# Altium PCB systems_pcb.PcbDoc (part 1 of 2)
Units mm, origin at the board's own origin, x right, y up, seen from the top; angles counter-clockwise.
Board outline 95.88 x 90.17 mm, 4 copper layers (TOP, GND, VCC, BOT), stack 0.778 mm thick; 87 components, 80 nets, 333 pads, 509 vias.
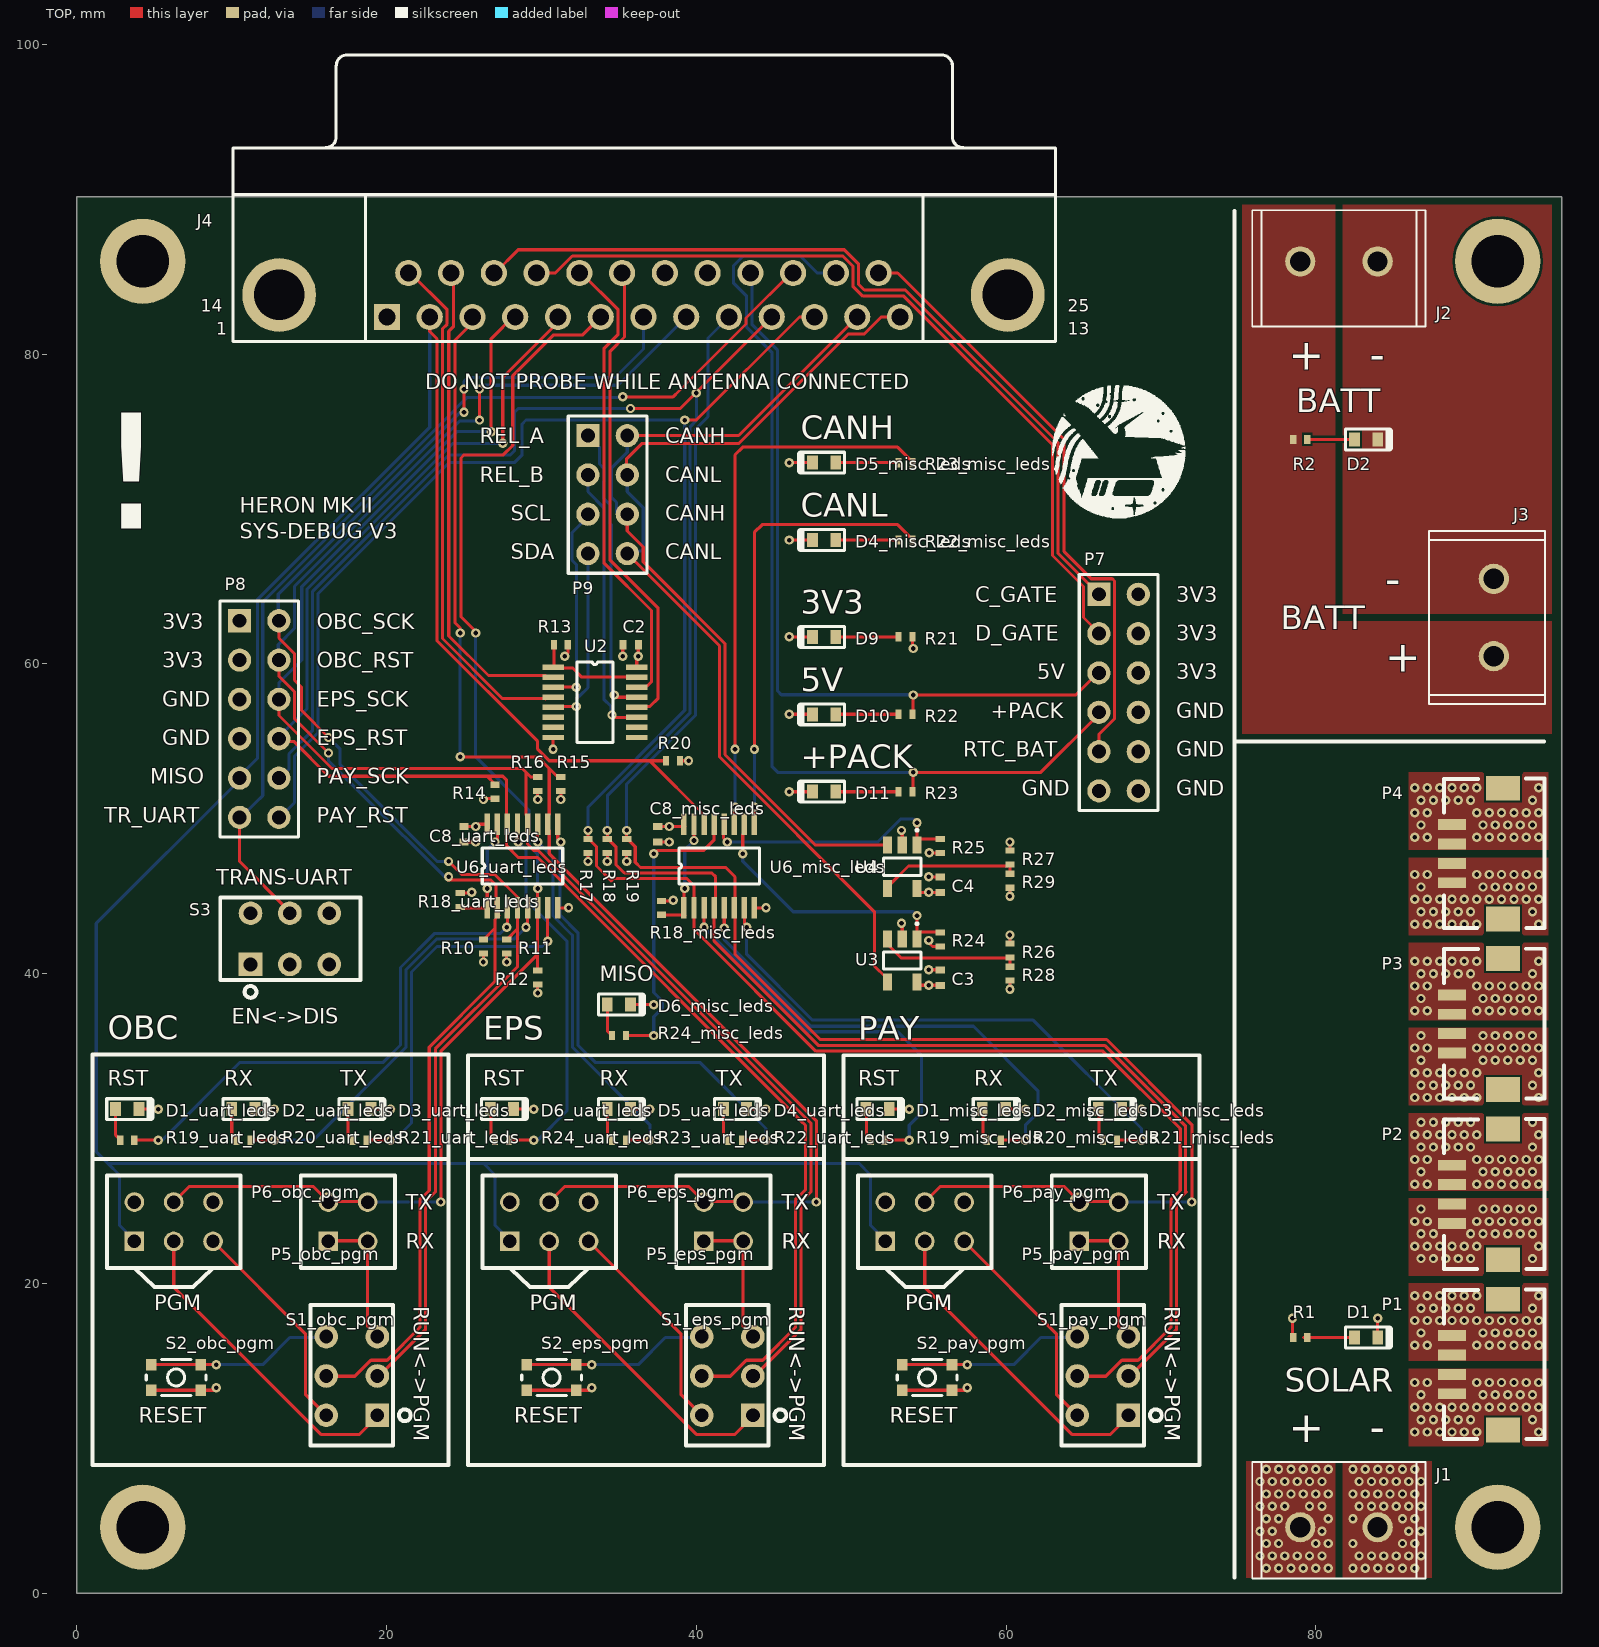
[diagram p0: TOP view]
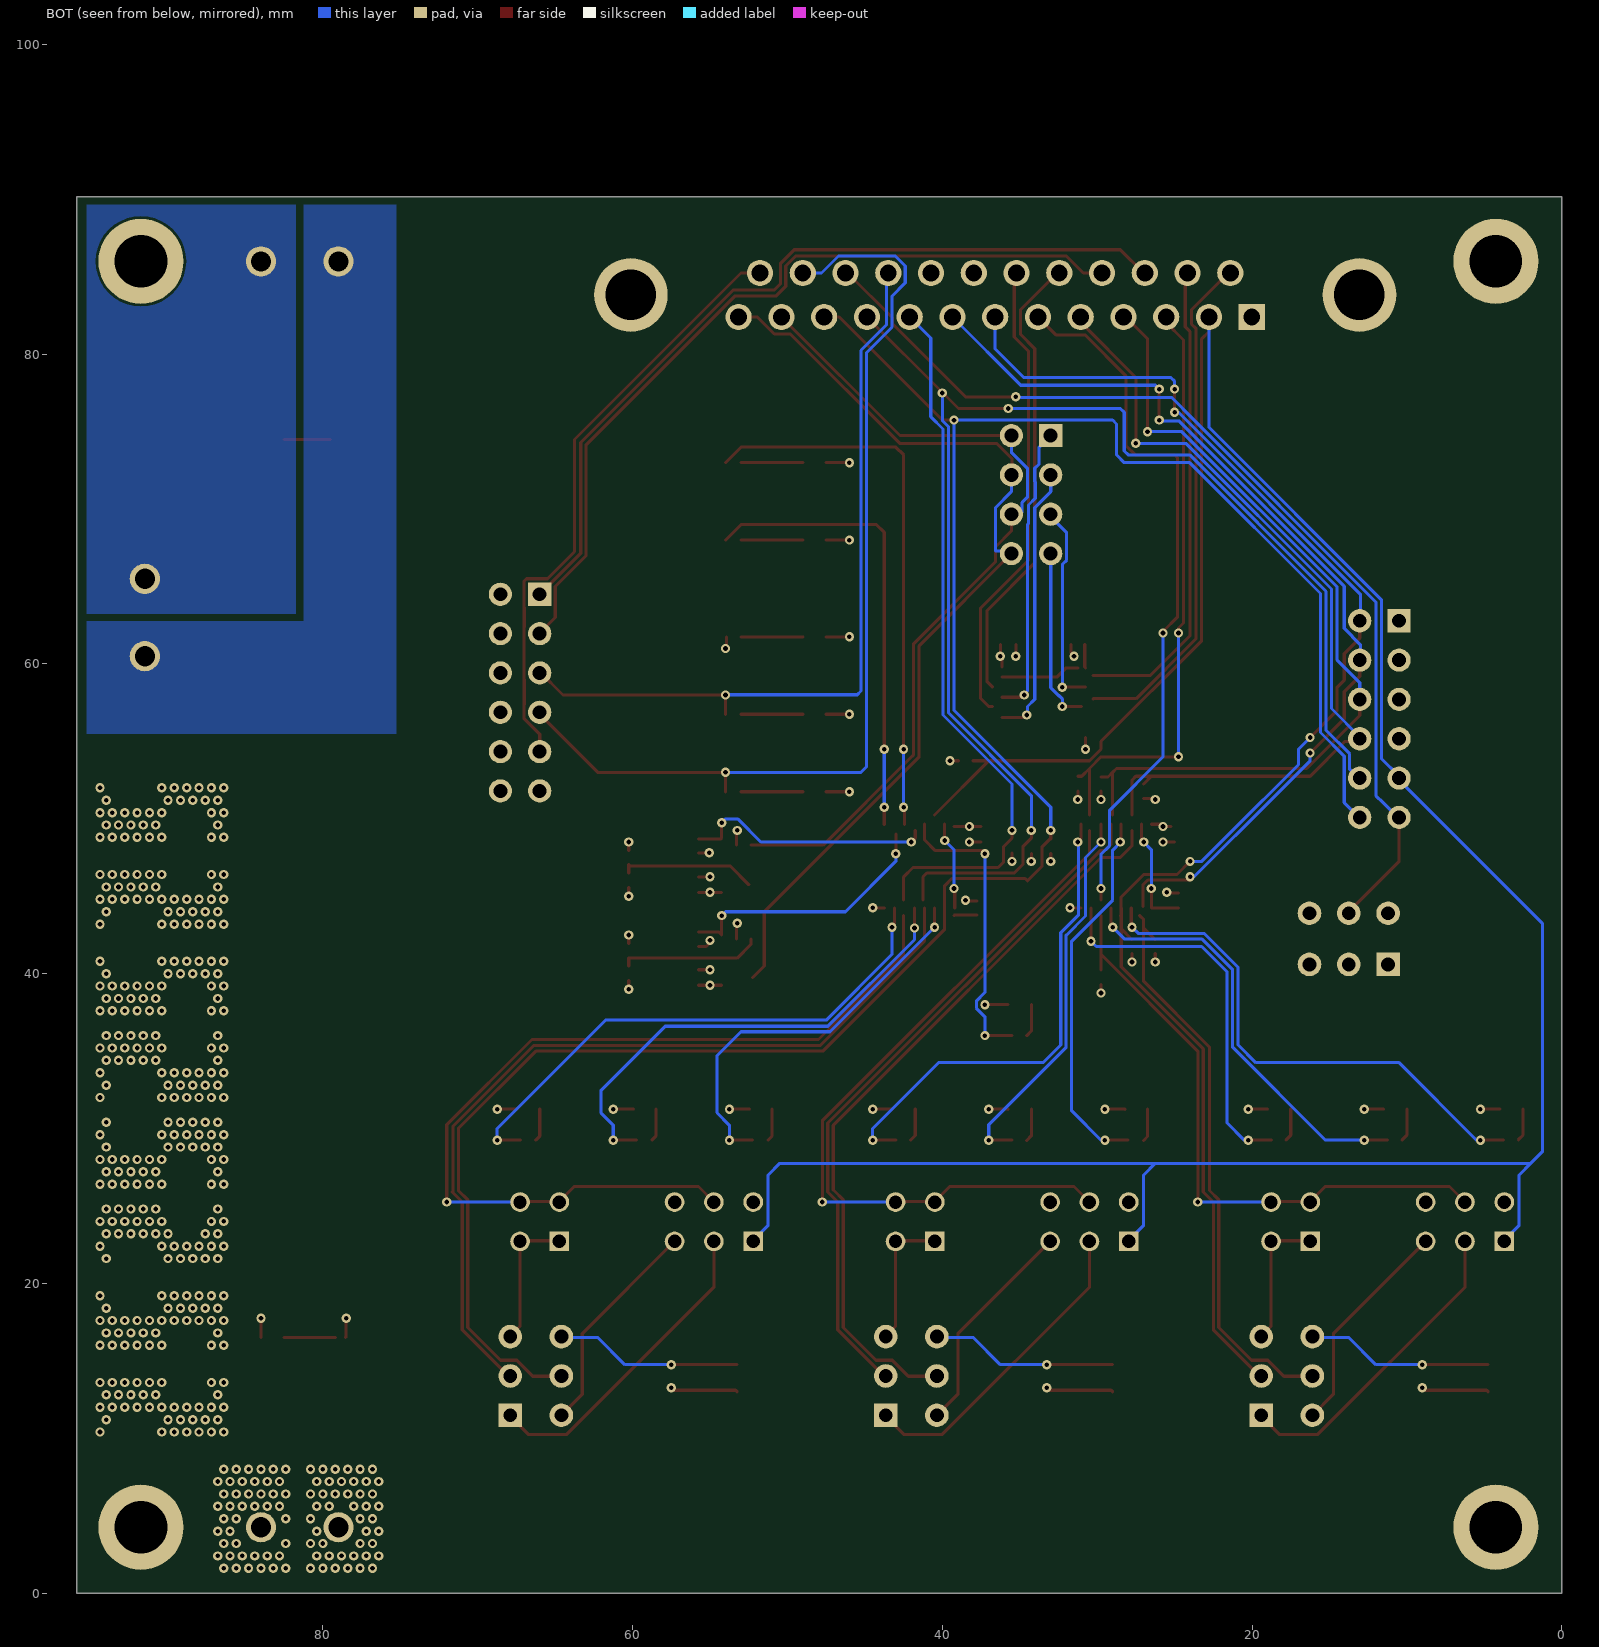
[diagram p1: BOT view, seen from below]
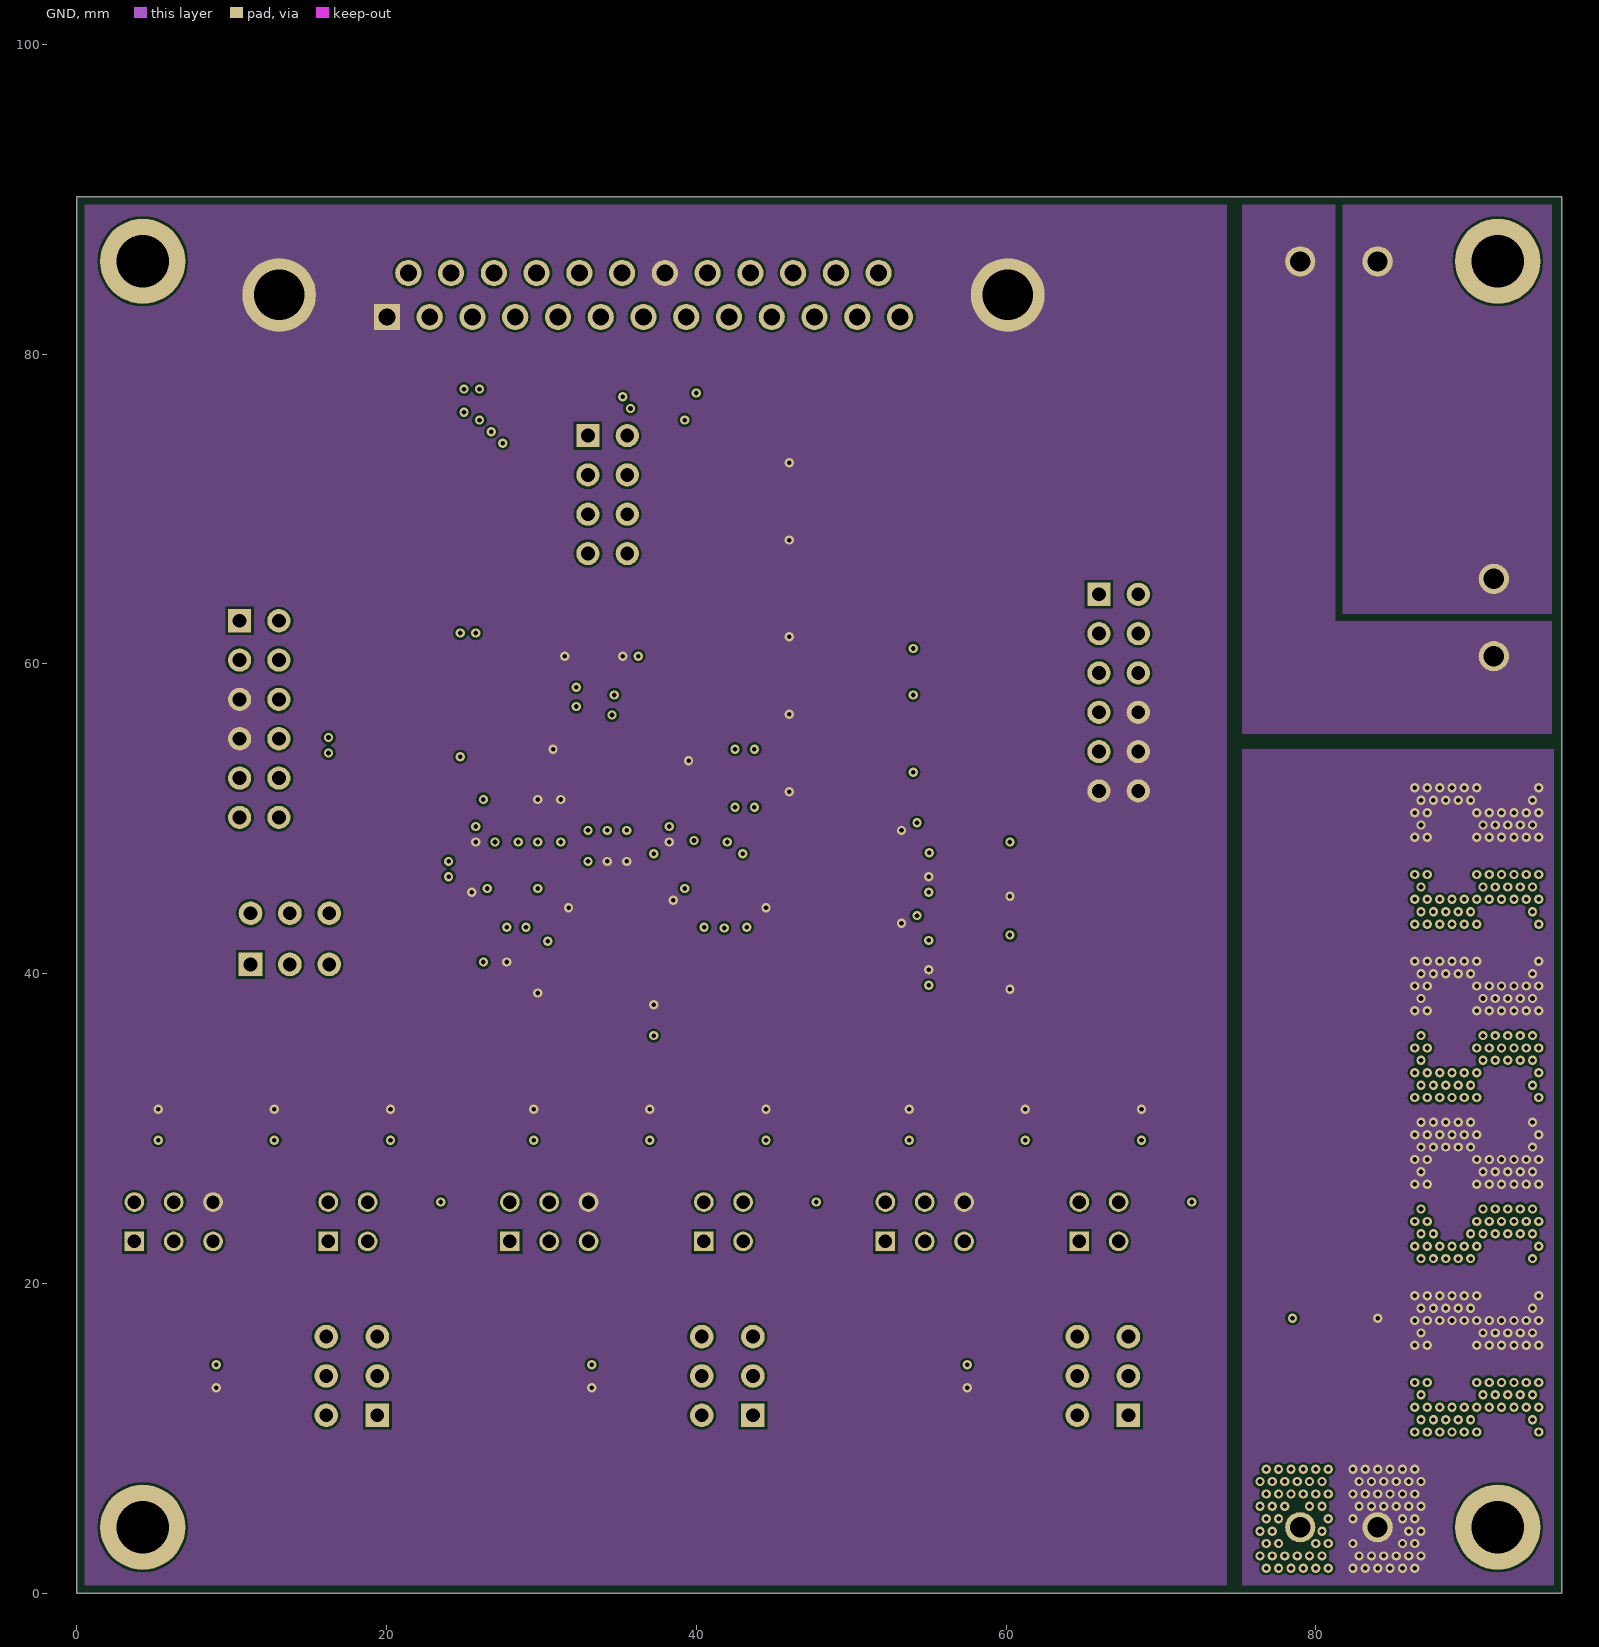
[diagram p2: GND]
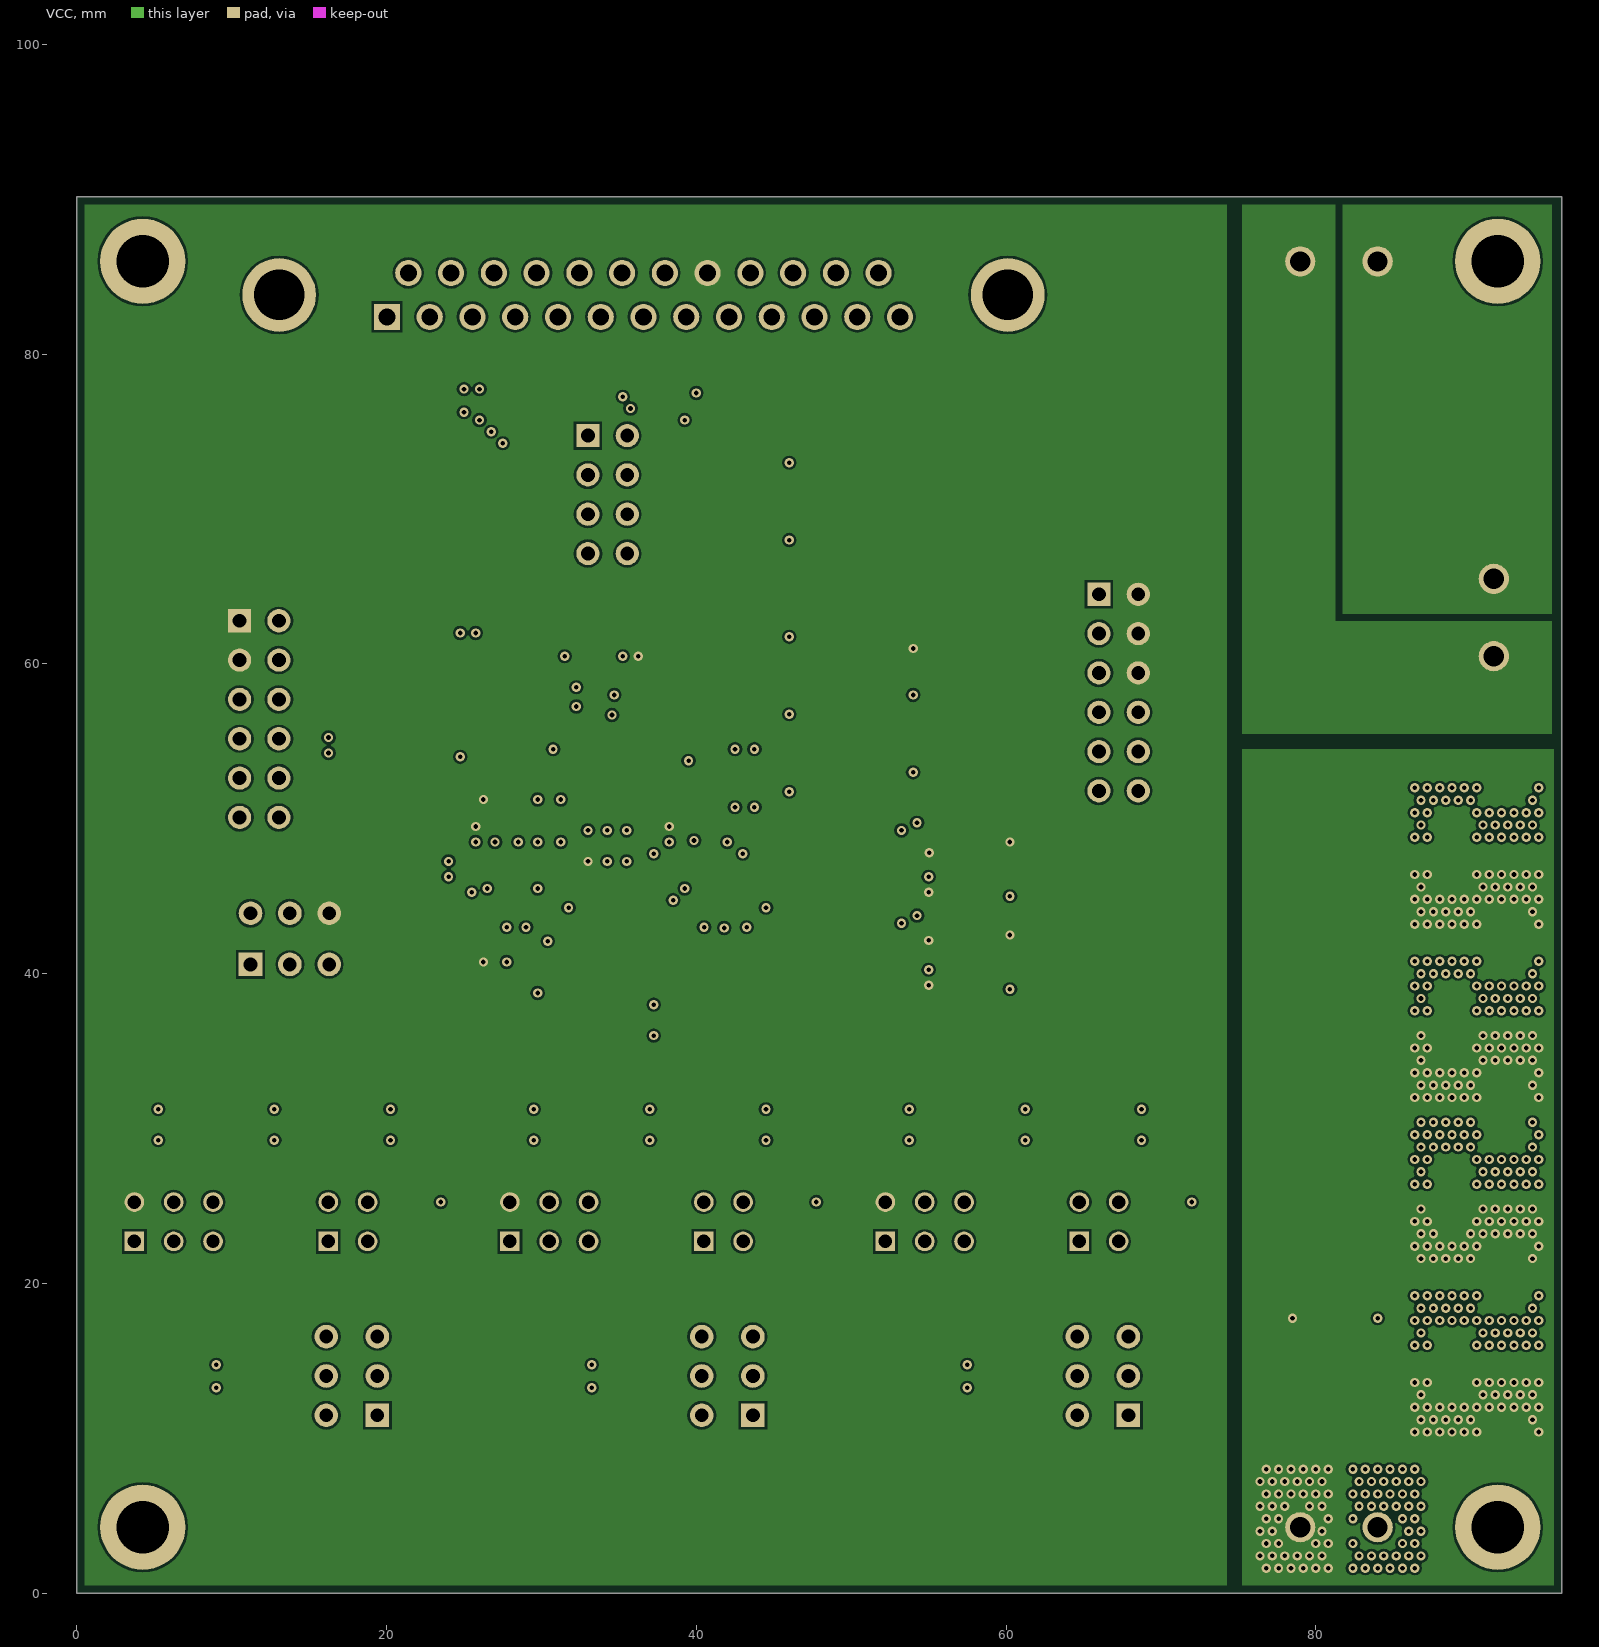
[diagram p3: VCC]